# Altium PCB GN-1866-A-V2.PCBDOC (part 1 of 5)
Units mil, origin at the board's own origin, x right, y up, seen from the top; angles counter-clockwise.
Board outline 2475 x 2671.81 mil, 6 copper layers (TOP, ART02, ART03, ART04, ART05, BOTTOM), stack 47.2 mil thick; 347 components, 311 nets, 1697 pads, 1562 vias.
Unrouted connection lines stored in the file: 4.
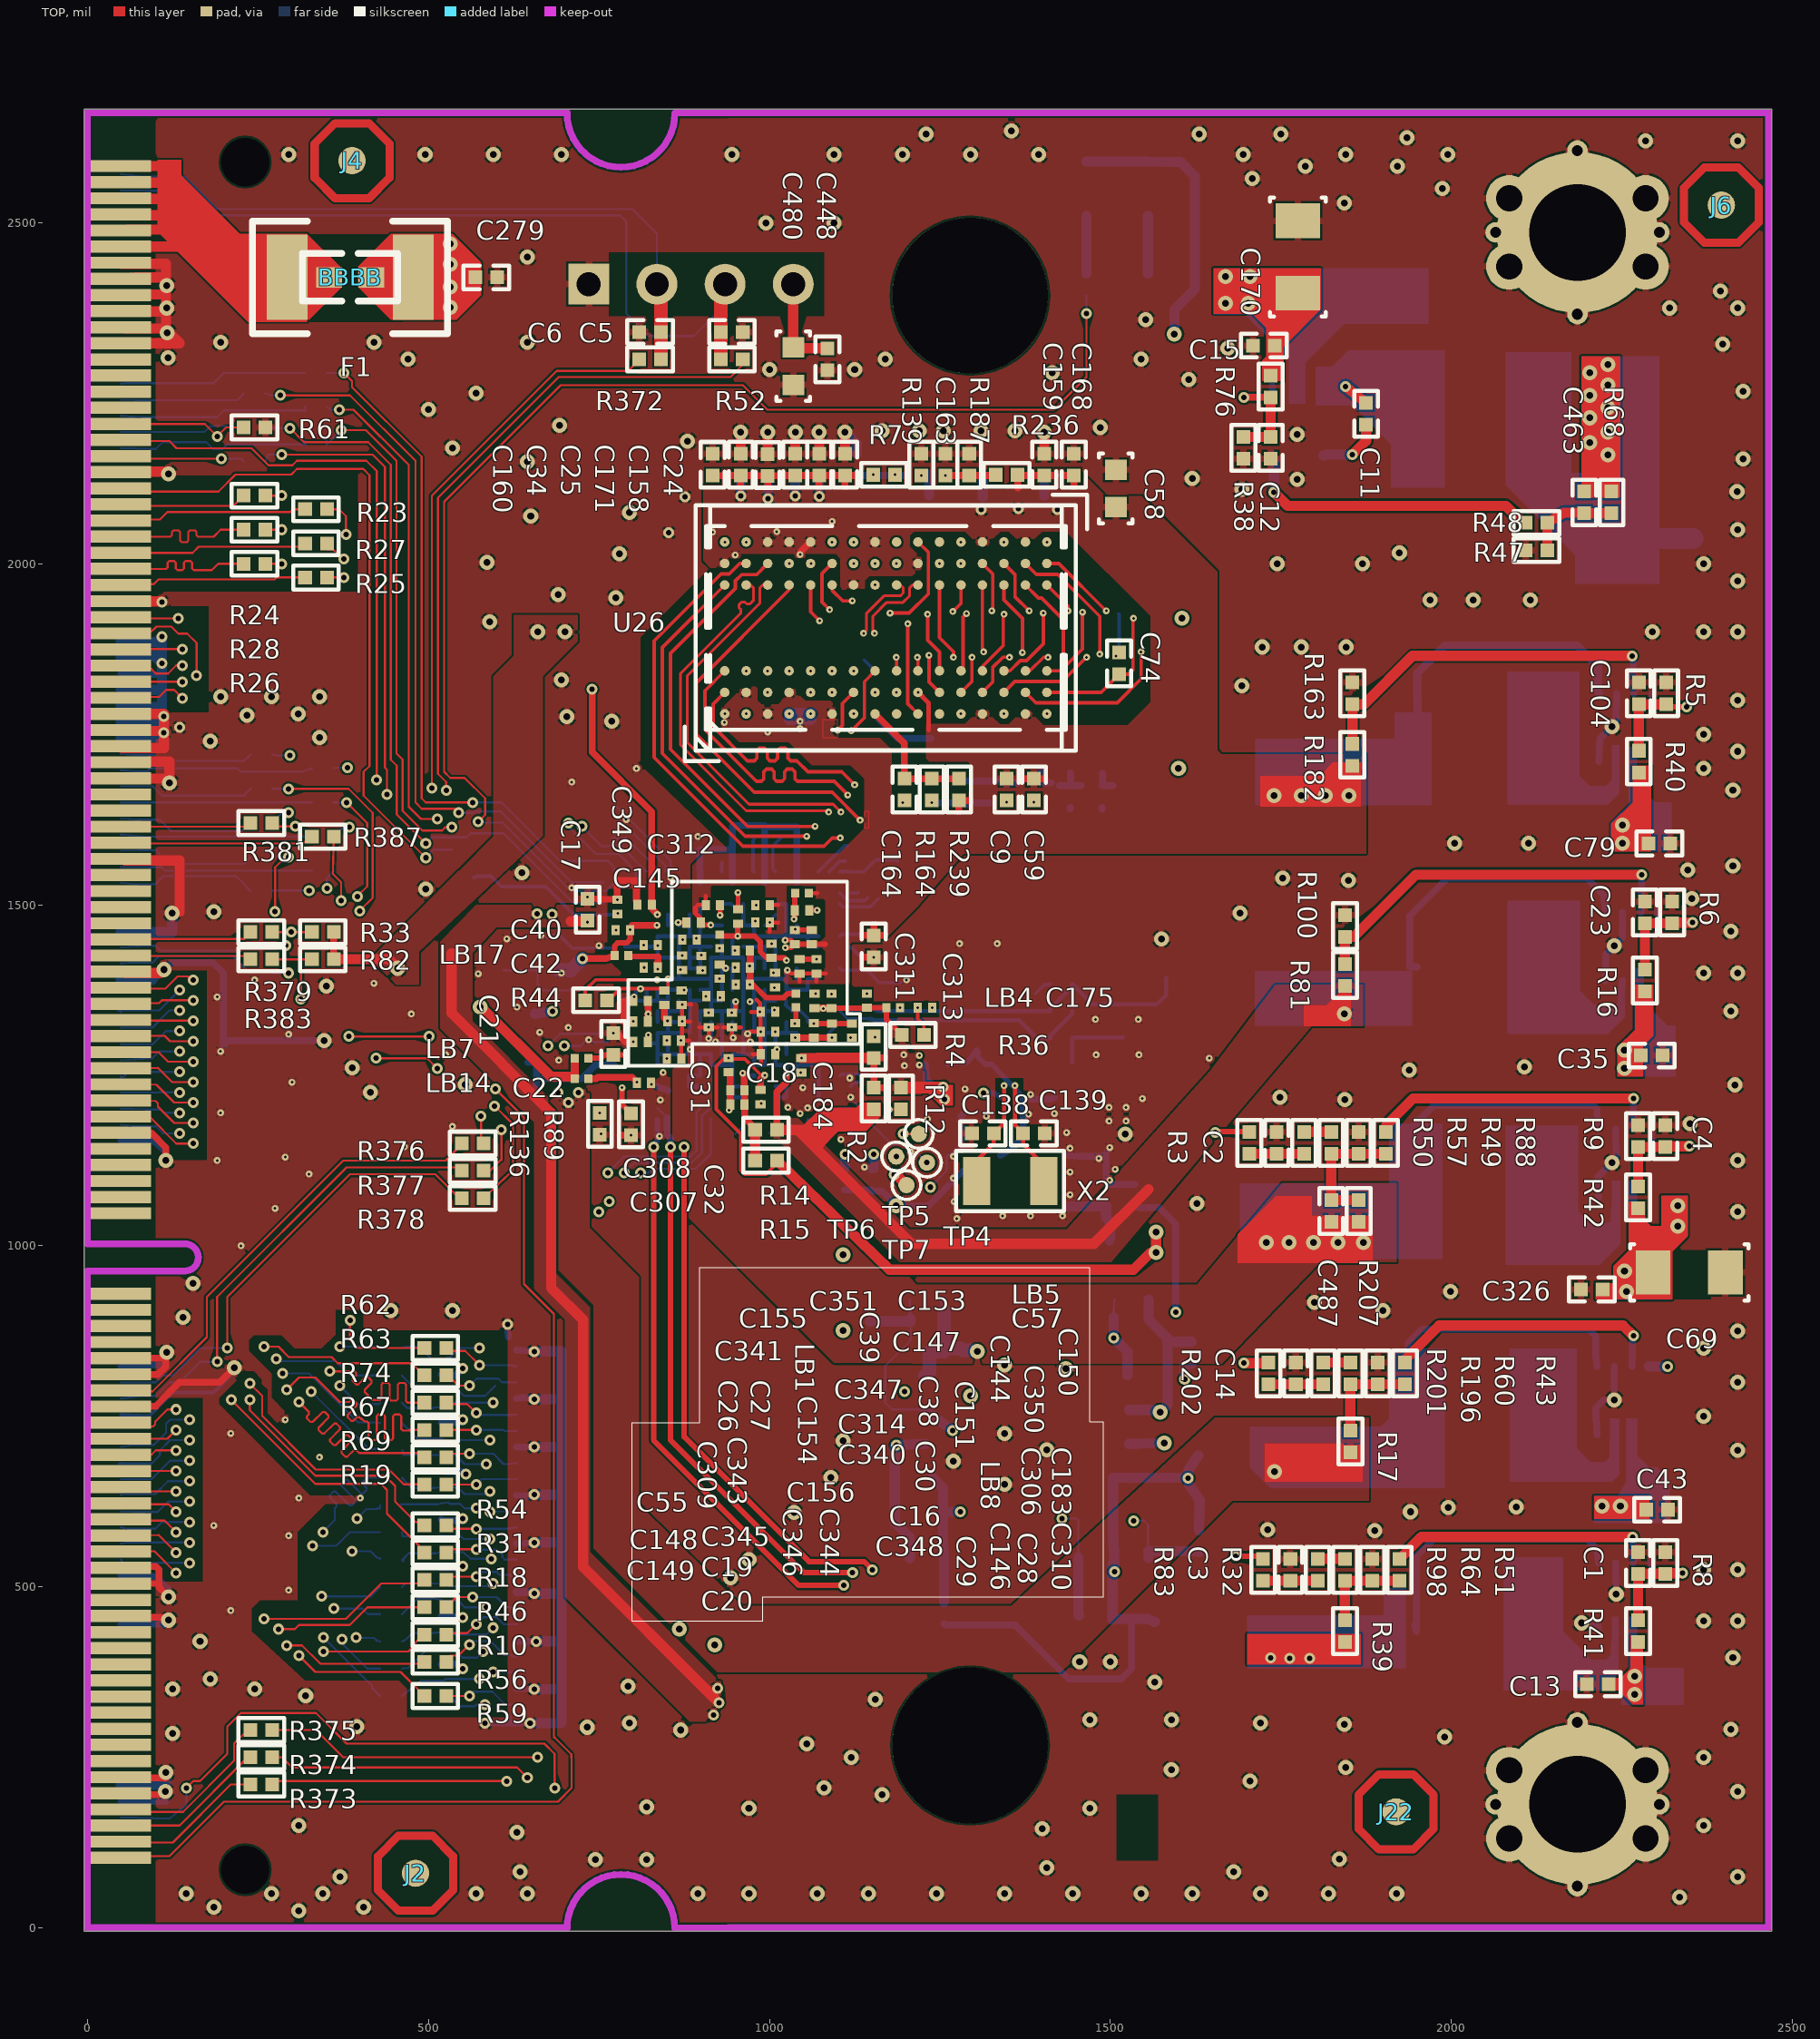
[diagram p0: TOP view]
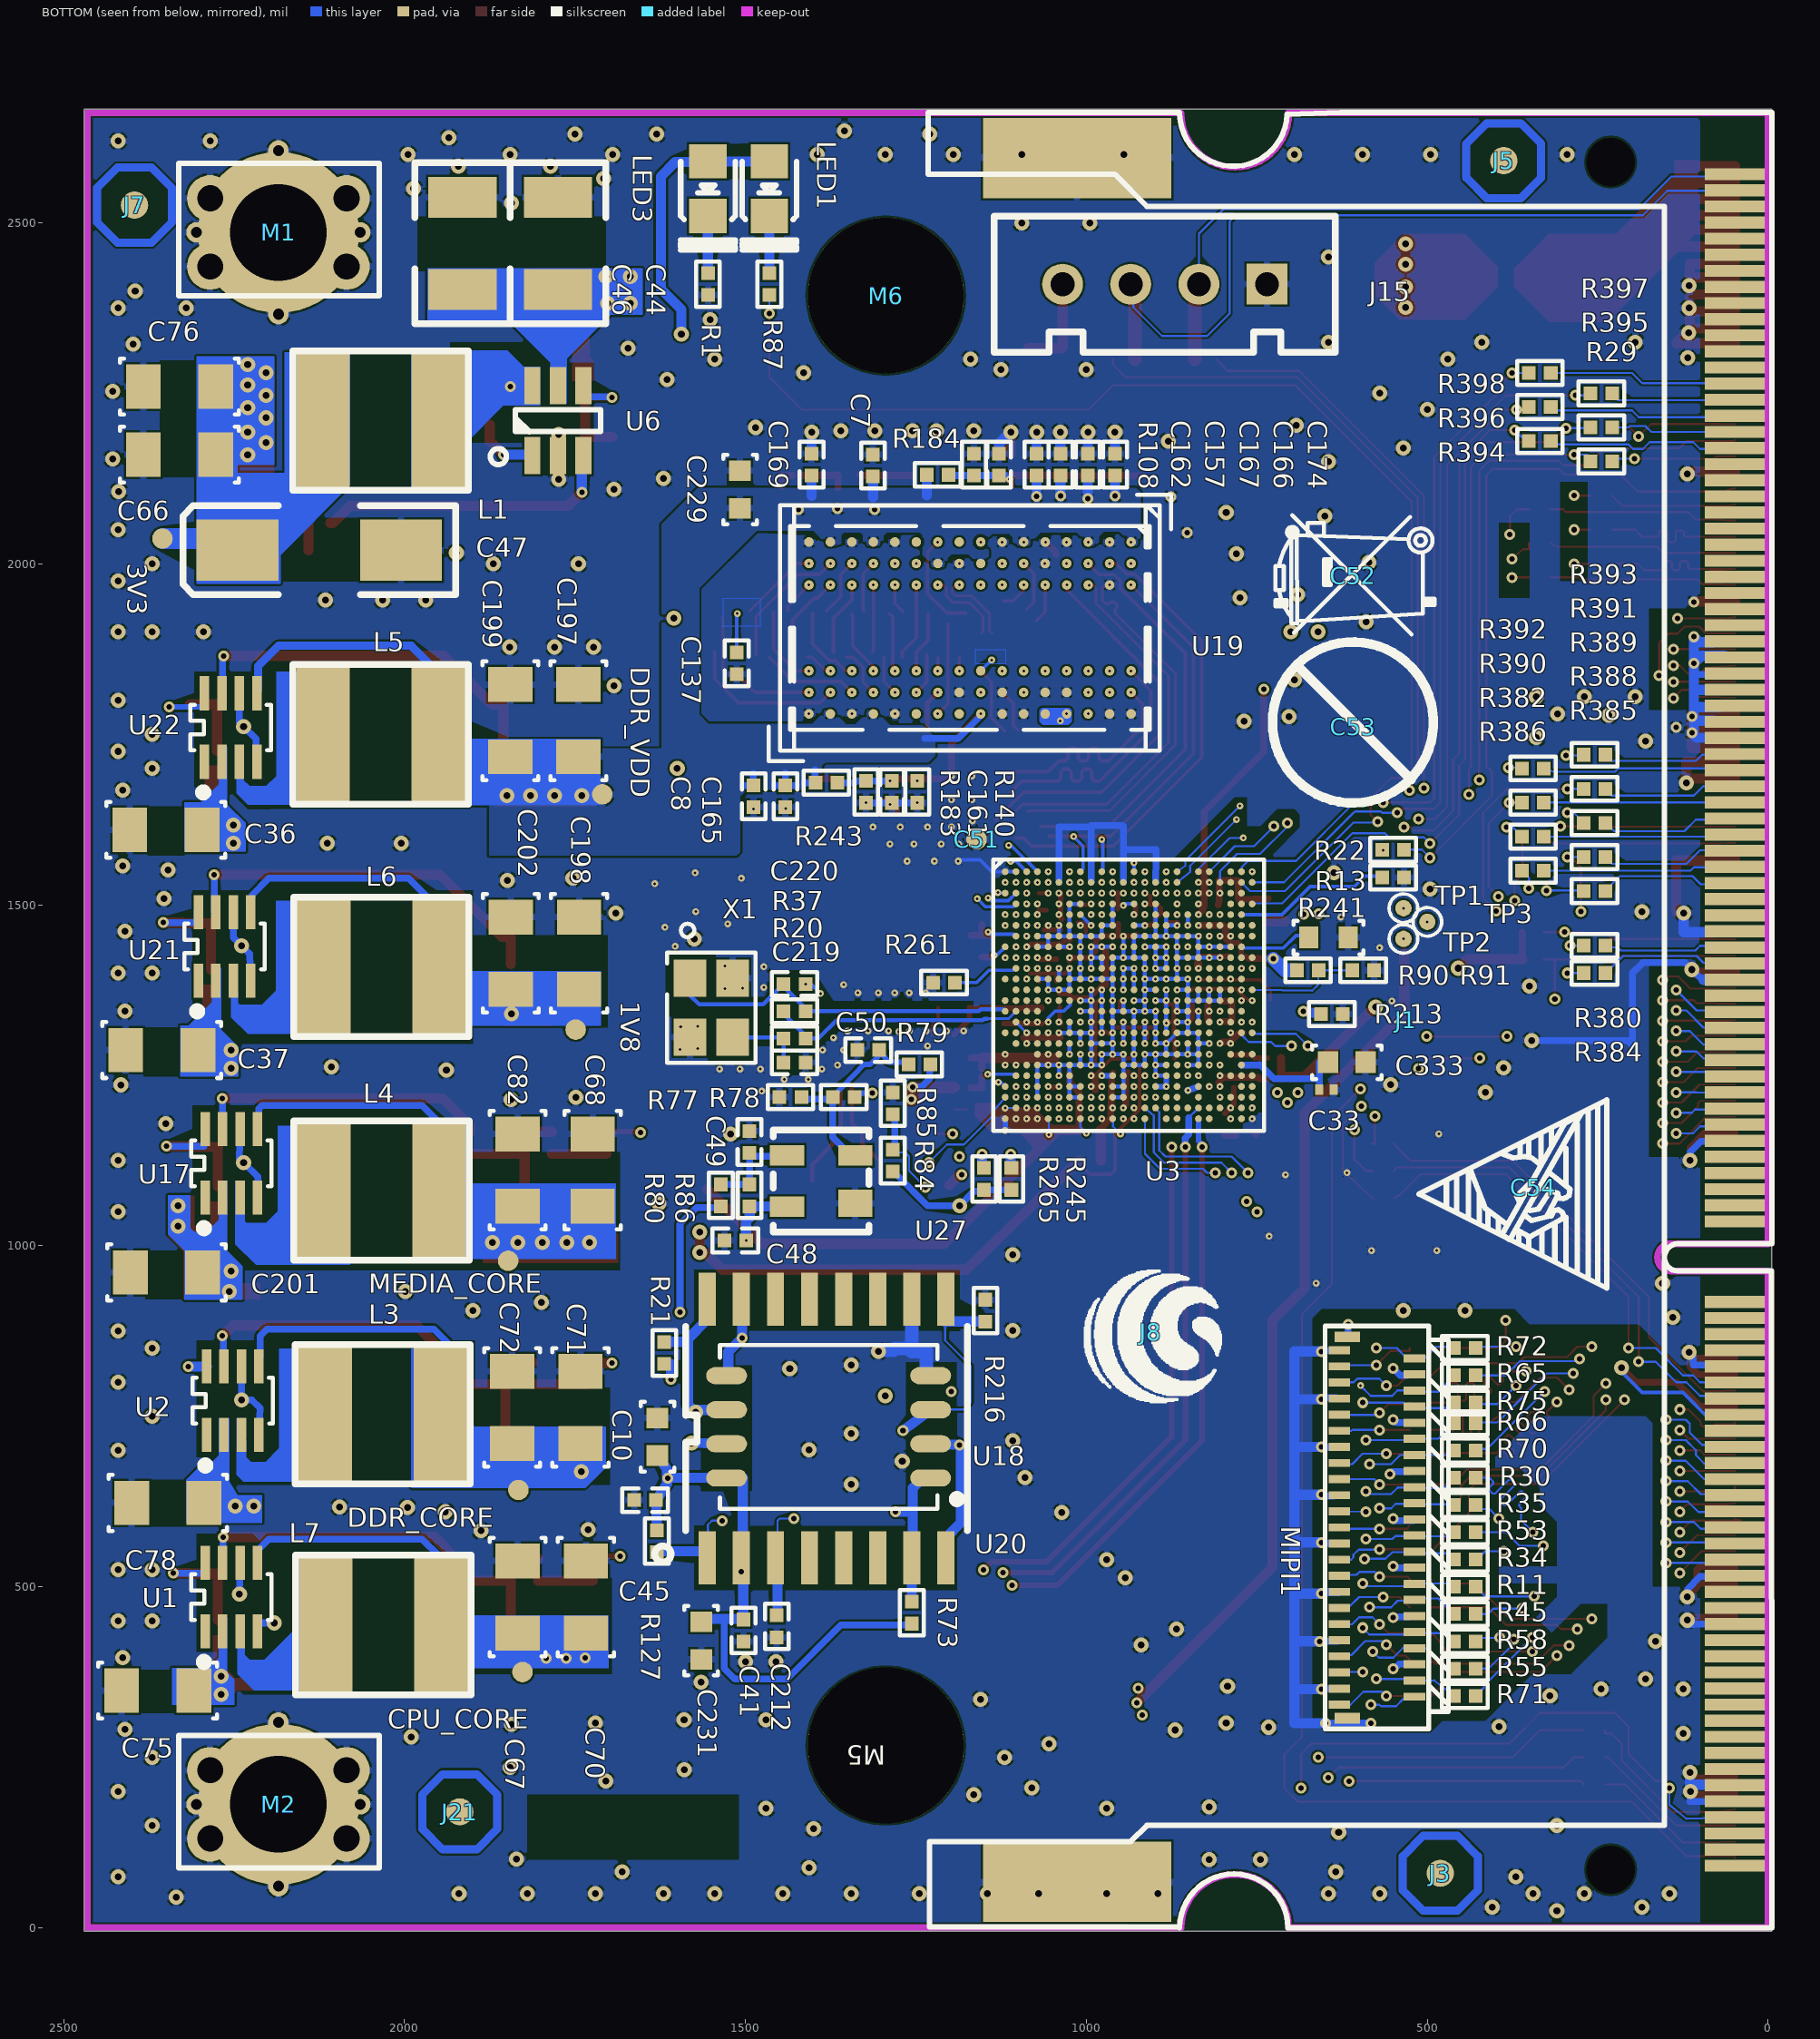
[diagram p1: BOTTOM view, seen from below]
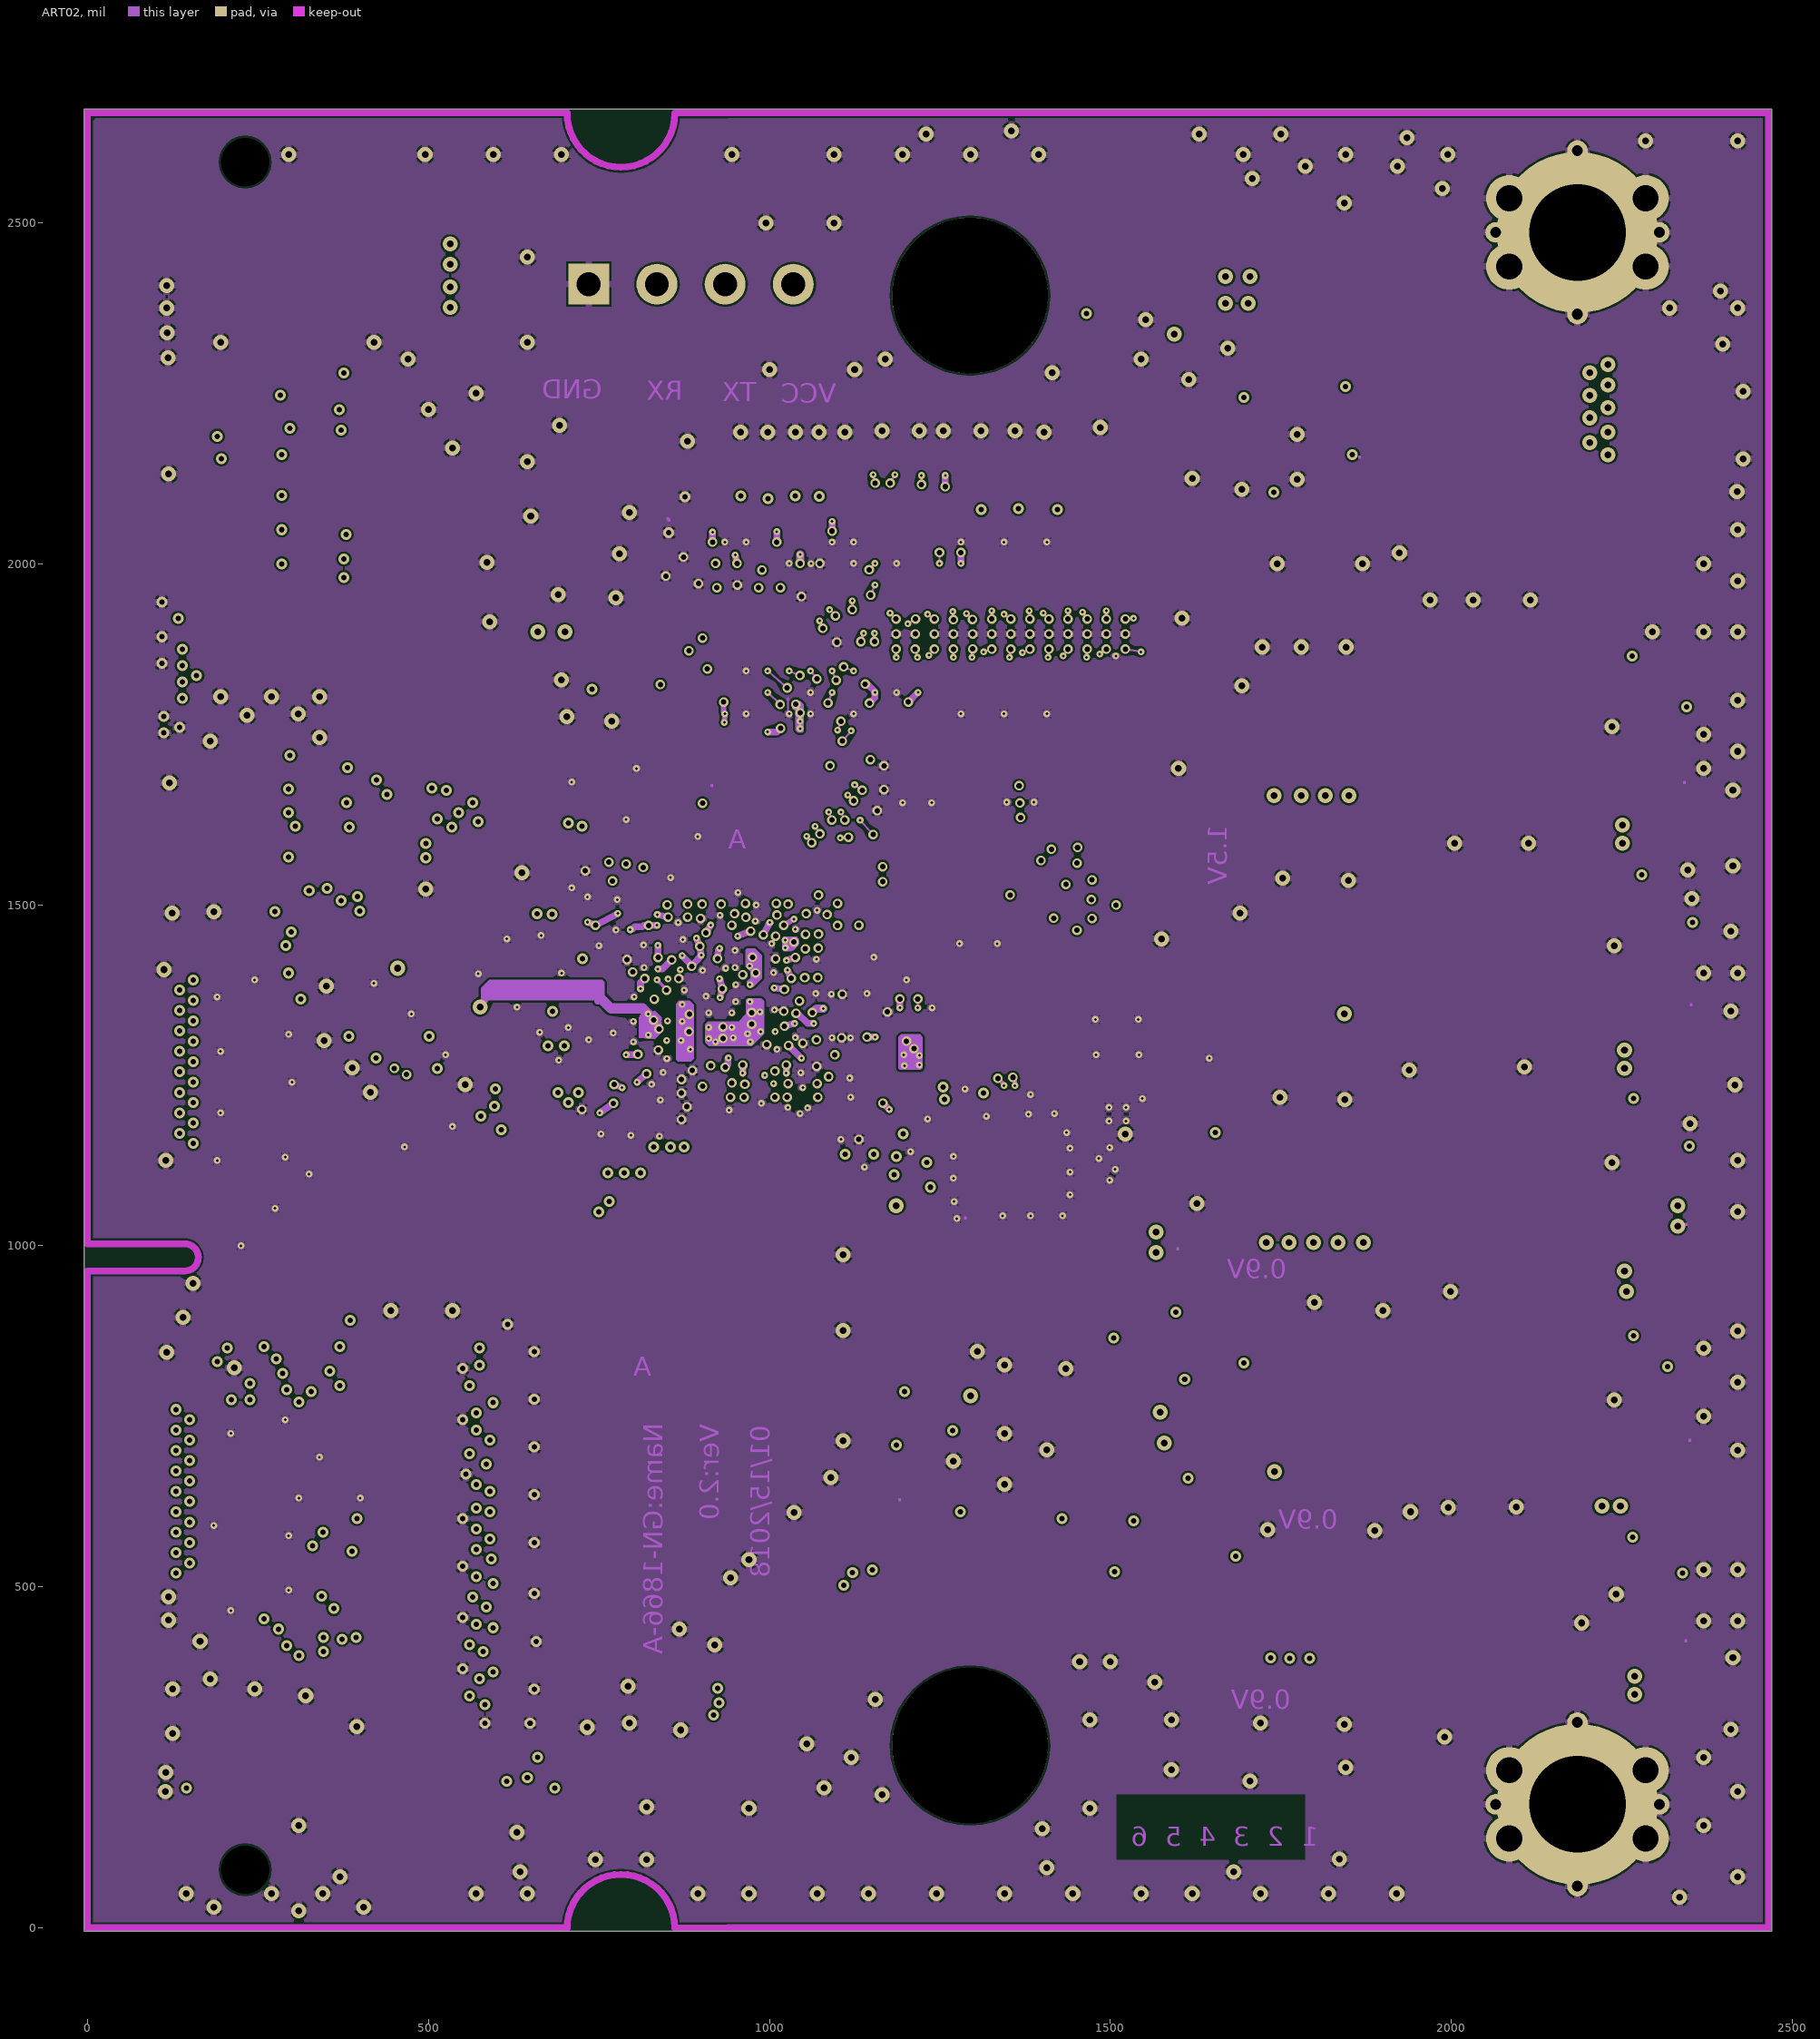
[diagram p2: ART02]